# Altium PCB radxa_nx4_io_board_v1.11.PcbDoc (part 9 of 13)
Units mil, origin at the board's own origin, x right, y up, seen from the top; angles counter-clockwise.
Board outline 3937.01 x 3110.23 mil, 6 copper layers (TOP, GND02, ART03, ART04, GND05, BOTTOM), stack 47.2 mil thick; 639 components, 522 nets, 2442 pads, 1896 vias.
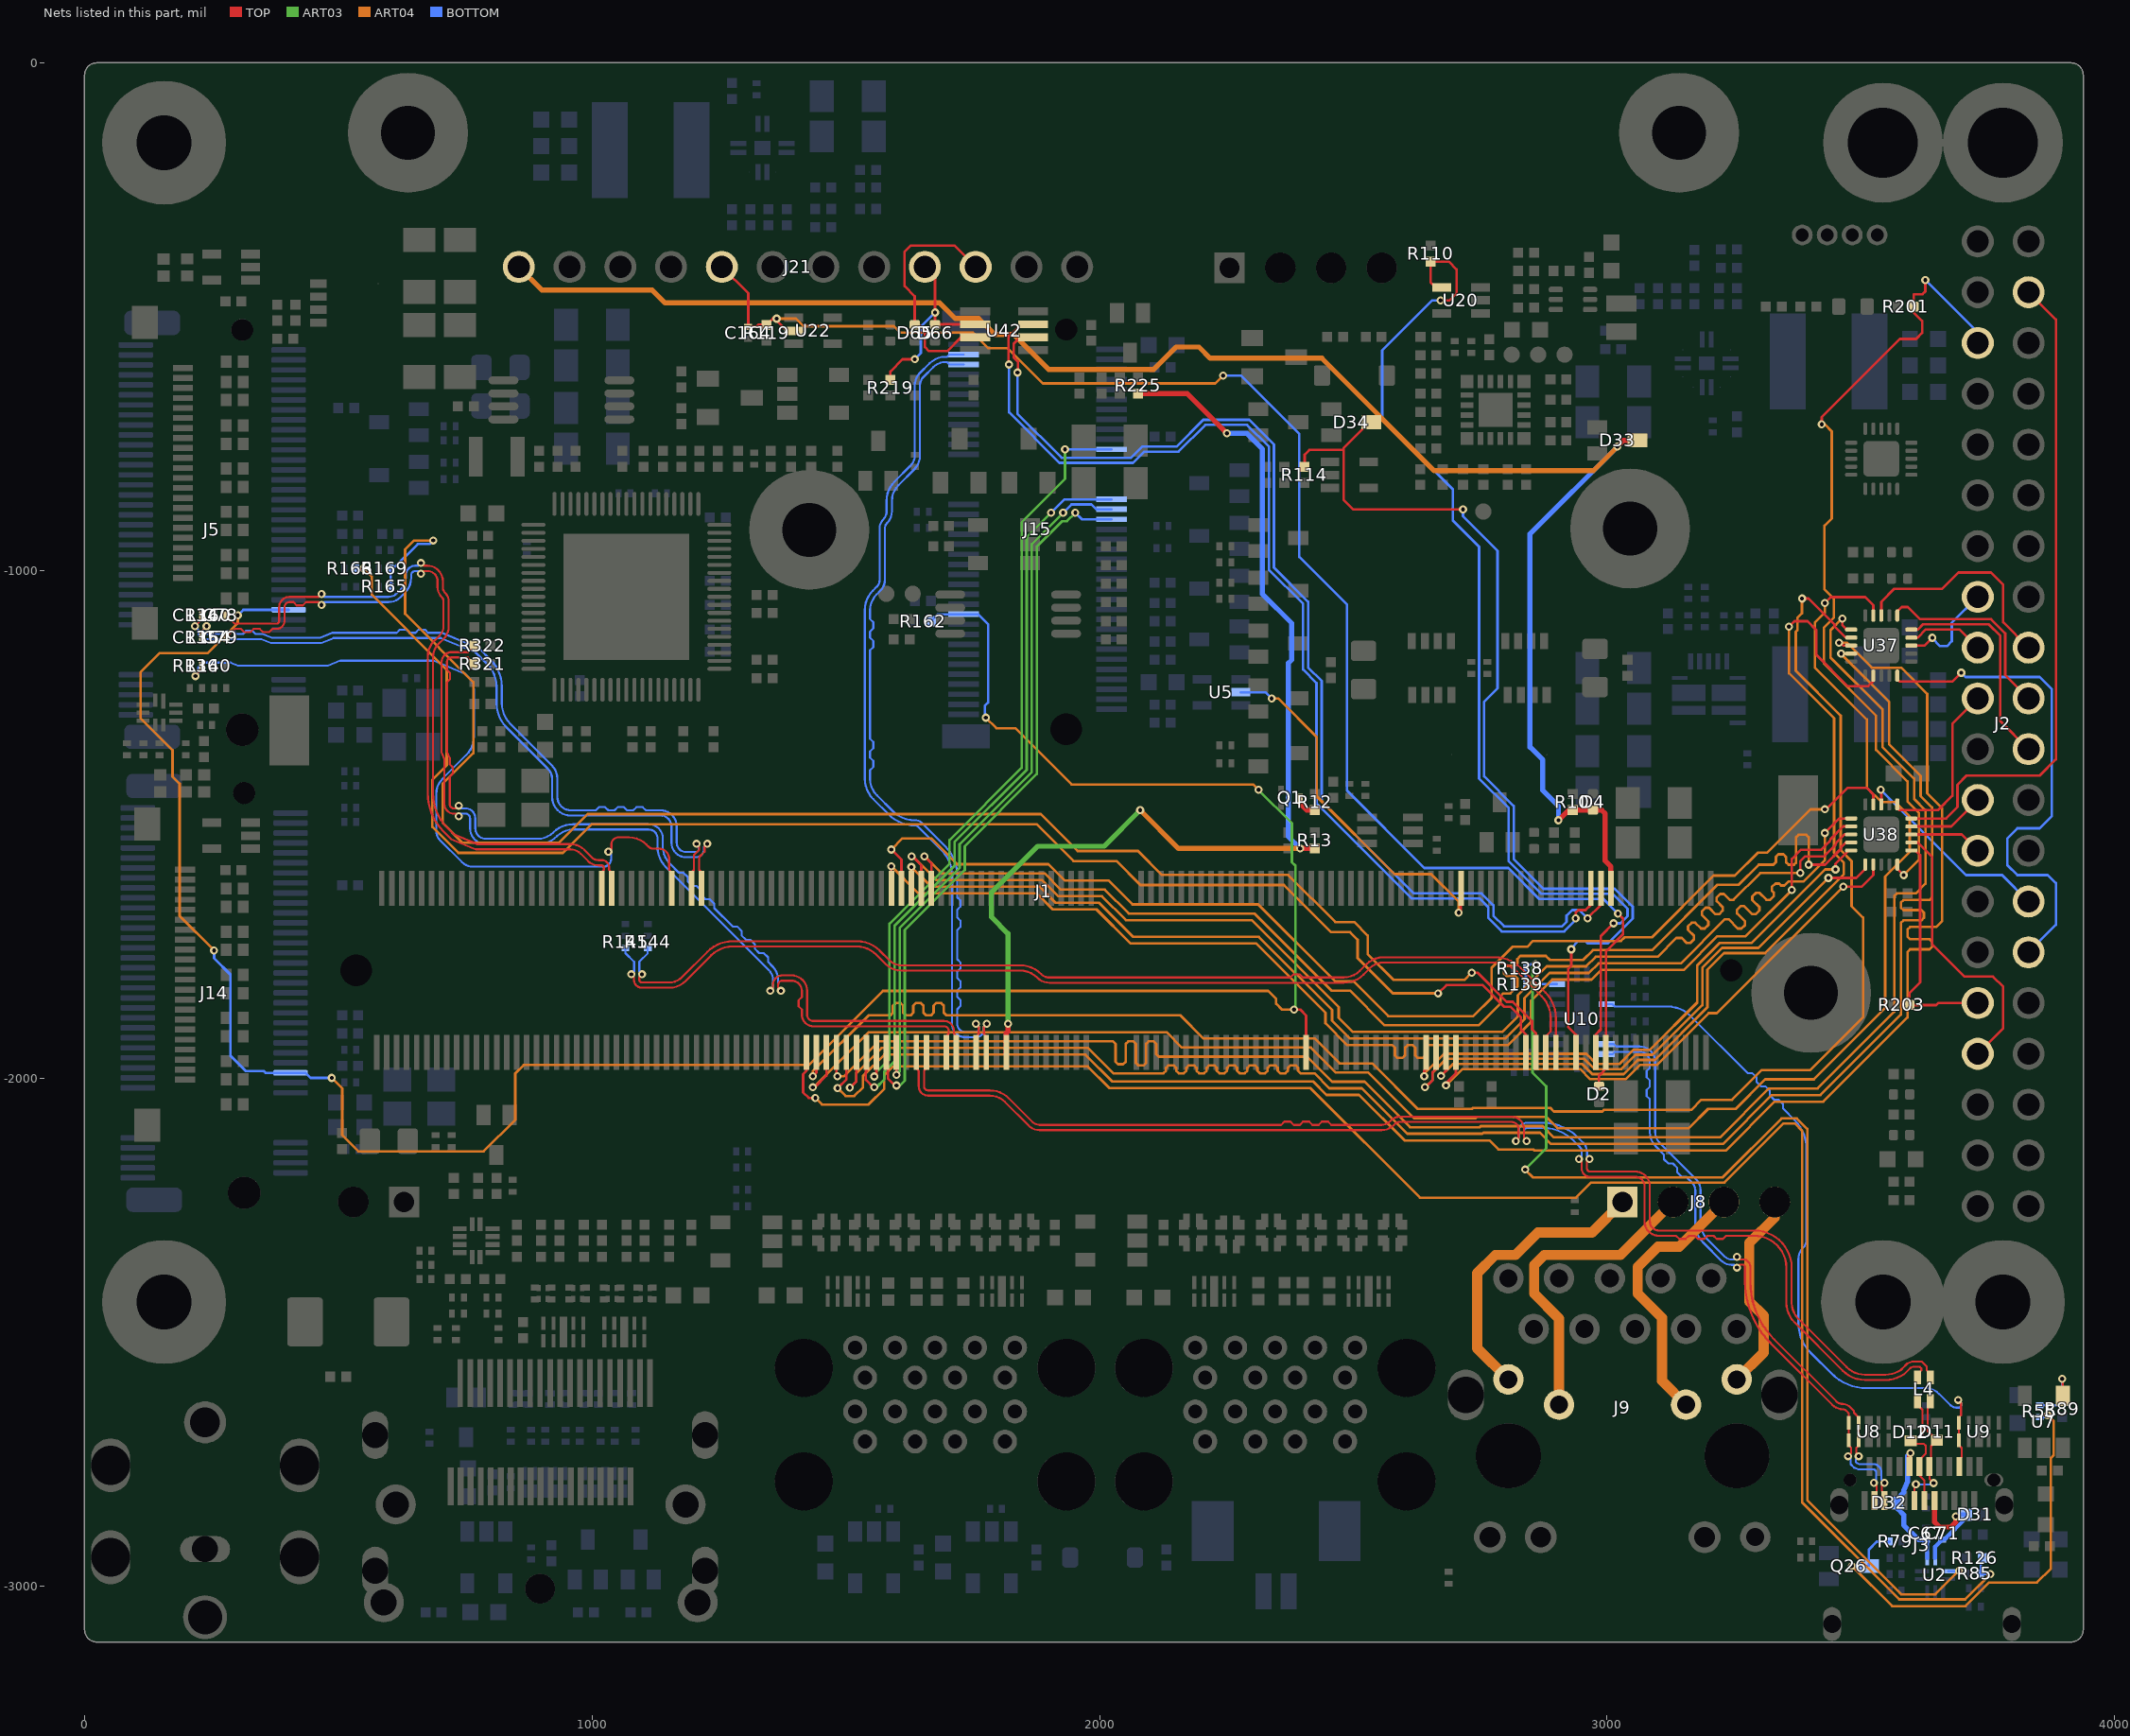
[diagram p13: the nets of this part, all layers, seen from the top]

## Via types
v1: diameter 16, hole 8, TOP to BOTTOM, 1896 vias

## Nets (pads, with @x,y where several pads share a name; then routed paths per layer and width w, separated by ;. In a path a pad name is that pad's centre, name@x,y a point inside that pad or via, vN(x,y) a via of type N, cw(c..) or ccw(c..) an arc to the next point about the centre after c; other vN are vias at no path point) (continued)
PCIE2_RX1_P: J1.60 R136.2 R140.2 | length 1543.3
  TOP w4.06: v1(219,-1208) 219,-1206 232.19,-1192.81 R140.2@232.19,-1188 ; v1(1032.56,-1554.14) 1038.37,-1548.33 1038.37,-1540 cw(c1052.73,-1540) 1052.73,-1525.64 1073.1,-1525.64 cw(c1073.11,-1574.2) 1107.45,-1539.87 1111.1,-1543.53 ccw(c1121.87,-1532.8) 1121.85,-1548 1132.22,-1548 cw(c1132.22,-1568) 1152.22,-1568 1152.22,-1589.61 1156.88,-1594.27 J1.60@1156.88,-1626.09
  BOTTOM w4.06: v1(219,-1208) 219.5,-1208 224,-1203.5 224,-1196.33 cw(c238.72,-1196.33) 238.72,-1181.61 288.57,-1181.61 302.79,-1187.5 480.47,-1187.5 504.29,-1177.64 687.73,-1177.64 749.7,-1203.3 758.64,-1212.24 cw(c736.62,-1234.26) 767.76,-1234.25 767.76,-1327 cw(c716.48,-1327) 752.74,-1363.26 706.34,-1409.66 ccw(c737.2,-1440.53) 693.55,-1440.53 693.55,-1513.32 ccw(c719.41,-1513.32) 701.13,-1531.61 744.02,-1574.5 ccw(c765.55,-1552.98) 765.55,-1583.42 1022.46,-1583.42 ccw(c1022.46,-1568) 1037.88,-1568 1037.88,-1559.46 v1(1032.56,-1554.14)
PCIE2_TX0_N: C79.2 J1.46 | length 1433.5
  TOP w4.06: C79.2@279.81,-1132 296.63,-1115.18 308.81,-1115.18 315.11,-1121.48 327.29,-1121.48 333.59,-1115.18 345.77,-1115.18 352.07,-1121.48 364.25,-1121.48 370.55,-1115.18 378.55,-1115.18 ccw(c378.55,-1099.37) 394.36,-1099.37 394.36,-1072.22 cw(c404.22,-1072.22) 404.22,-1062.36 412.18,-1062.36 418.48,-1068.66 430.66,-1068.66 436.96,-1062.36 462.07,-1062.36 v1(467.39,-1067.68) ; v1(663.51,-1006.37) 668.83,-1001.05 676,-1001.05 cw(c676,-1021.05) 696,-1021.05 696,-1032.66 ccw(c723.36,-1032.67) 704.01,-1052.01 cw(c695.47,-1060.6) 707.58,-1060.58 707.58,-1110.34 cw(c682.91,-1110.34) 700.35,-1127.79 690.07,-1138.07 ccw(c722.6,-1170.59) 676.6,-1170.59 676.6,-1438.68 ccw(c783.44,-1438.69) 707.89,-1514.23 722.57,-1528.91 772.03,-1549.39 957.76,-1549.39 cw(c957.75,-1577.78) 977.83,-1557.71 992.89,-1572.77 ccw(c1012.76,-1552.89) 1012.77,-1581 1019.49,-1581 cw(c1019.49,-1585.06) 1023.55,-1585.06 1023.55,-1589.81 1019.09,-1594.27 J1.46@1019.09,-1626.09
  BOTTOM w4.06: v1(467.39,-1067.68) 472.78,-1062.29 599.49,-1062.29 ccw(c599.49,-1028.87) 623.11,-1052.51 631.37,-1044.25 ccw(c600.88,-1013.76) 644,-1013.77 644,-1009.05 cw(c652,-1009.05) 652,-1001.05 658.19,-1001.05 v1(663.51,-1006.37)
PCIE2_TX0_P: C78.2 J1.48 | length 1434.1
  TOP w4.06: C78.2@279.81,-1088 296.63,-1104.82 378.55,-1104.82 ccw(c378.55,-1099.37) 384,-1099.37 384,-1072.22 cw(c404.22,-1072.22) 404.22,-1052 462.07,-1052 v1(467.39,-1046.68) ; v1(663.51,-985.37) 668.83,-990.69 676,-990.69 cw(c676,-1021.05) 706.36,-1021.05 706.36,-1032.66 ccw(c723.36,-1032.66) 711.34,-1044.68 cw(c695.46,-1060.59) 717.94,-1060.57 717.94,-1110.34 cw(c682.9,-1110.35) 707.68,-1135.12 697.4,-1145.4 ccw(c722.6,-1170.6) 686.96,-1170.6 686.96,-1438.68 ccw(c783.43,-1438.68) 715.22,-1506.9 728.44,-1520.12 774.1,-1539.03 957.76,-1539.03 cw(c957.76,-1577.78) 985.16,-1550.38 1000.22,-1565.44 ccw(c1012.77,-1552.9) 1012.77,-1570.64 1019.49,-1570.64 cw(c1019.49,-1585.06) 1033.91,-1585.06 1033.91,-1589.41 1038.77,-1594.27 J1.48@1038.77,-1626.09
  BOTTOM w4.06: v1(467.39,-1046.68) 472.64,-1051.93 599.48,-1051.93 ccw(c599.48,-1028.87) 615.78,-1045.18 624.04,-1036.92 ccw(c600.89,-1013.75) 633.64,-1013.76 633.64,-1009.05 cw(c652,-1009.05) 652,-990.69 658.19,-990.69 v1(663.51,-985.37)
PCIE2_TX1_N: C135.2 J1.64 R164.2 | length 1446.5
  TOP w4.06: R164.2@232.19,-1132 231.19,-1131 231.19,-1119.81 v1(241,-1110) ; J1.64@1196.25,-1626.09 1196.25,-1594.27 1200.92,-1589.6 1200.92,-1560.42 1211.53,-1549.81 1211.53,-1543.71 v1(1206.21,-1538.39)
  BOTTOM w4.06: v1(241,-1110) 234.68,-1116.32 234.68,-1120 ccw(c239.71,-1120) 239.71,-1125.03 275.61,-1125.03 281.91,-1118.73 294.09,-1118.73 300.39,-1125.03 312.57,-1125.03 318.87,-1118.73 331.05,-1118.73 337.35,-1125.03 351.32,-1125.03 369.74,-1132.66 465.05,-1132.66 488.86,-1122.8 615.61,-1122.8 621.91,-1116.5 634.09,-1116.5 640.39,-1122.8 652.57,-1122.8 658.87,-1116.5 671.05,-1116.5 677.35,-1122.8 704.63,-1122.8 776.7,-1152.7 801.38,-1177.38 cw(c750.14,-1228.61) 822.6,-1228.62 822.6,-1261.42 ccw(c880.17,-1261.42) 839.47,-1302.13 920.67,-1383.33 cw(c893.32,-1410.68) 932,-1410.68 932,-1446.11 ccw(c958.3,-1446.11) 958.3,-1472.41 1007.61,-1472.41 1013.91,-1466.11 1026.09,-1466.11 1032.39,-1472.41 1044.57,-1472.41 1050.87,-1466.11 1063.05,-1466.11 1069.35,-1472.41 1081.53,-1472.41 1087.83,-1466.11 1100.01,-1466.11 1106.31,-1472.41 1135.58,-1472.41 cw(c1135.58,-1504) 1167.17,-1504 1167.17,-1536.39 ccw(c1185.2,-1536.39) 1185.2,-1554.42 1205,-1554.42 ccw(c1205,-1548.8) 1210.62,-1548.8 1210.62,-1542.8 v1(1206.21,-1538.39)
PCIE2_TX1_P: C134.2 J1.66 R160.2 | length 1444.5
  TOP w4.06: v1(218,-1110) 232.19,-1095.81 R160.2@232.19,-1088 ; J1.66@1215.94,-1626.09 1215.94,-1594.26 1211.28,-1589.6 1211.28,-1564.72 1221.89,-1554.11 1221.89,-1543.71 v1(1227.21,-1538.39)
  BOTTOM w4.06: v1(218,-1110) 224.32,-1116.32 224.32,-1120 ccw(c239.71,-1120) 239.71,-1135.39 349.25,-1135.39 367.67,-1143.02 467.12,-1143.02 490.93,-1133.16 702.56,-1133.16 770.82,-1161.49 794.05,-1184.71 cw(c750.15,-1228.62) 812.24,-1228.62 812.24,-1261.43 ccw(c880.17,-1261.42) 832.14,-1309.46 913.34,-1390.66 cw(c893.32,-1410.69) 921.64,-1410.69 921.64,-1446.11 ccw(c958.3,-1446.11) 958.3,-1482.77 1135.58,-1482.77 cw(c1135.58,-1504) 1156.81,-1504 1156.81,-1536.39 ccw(c1185.2,-1536.39) 1185.2,-1564.78 1205,-1564.78 ccw(c1205,-1548.8) 1220.98,-1548.8 1220.98,-1544.62 v1(1227.21,-1538.39)
PCIE3_CLK_N: J1.227 R145.2 | length 2078.1
  TOP w4.06: v1(1077.68,-1795.42) 1083,-1800.74 1083,-1806.3 ccw(c1098.61,-1806.3) 1098.61,-1821.91 1152.47,-1821.91 ccw(c1152.48,-1776.54) 1184.55,-1808.63 1234.63,-1758.55 cw(c1277.85,-1801.78) 1277.85,-1740.65 1521.86,-1740.65 cw(c1521.85,-1794.29) 1559.79,-1756.37 1579.04,-1775.62 ccw(c1608.93,-1745.72) 1608.93,-1788 1843.33,-1788 cw(c1843.33,-1836.56) 1877.67,-1802.23 ; 1877.69,-1802.25 ccw(c1901.47,-1778.47) 1901.46,-1812.1 2481.13,-1812.1 ccw(c2481.13,-1757.13) 2520,-1796 2532.85,-1783.15 cw(c2558.8,-1809.1) 2558.8,-1772.4 2779.41,-1772.4 cw(c2779.4,-1833.38) 2822.53,-1790.27 2871.02,-1838.76 cw(c2828.47,-1881.32) 2888.65,-1881.31 2888.65,-1907.78 2879.32,-1917.11 J1.227@2879.32,-1948.92
  BOTTOM w4.06: R145.2@1066,-1743.81 1066,-1753.67 1083.09,-1770.76 1083.09,-1790.01 v1(1077.68,-1795.42)
PCIE3_CLK_P: J1.229 R144.2 | length 2079.1
  TOP w4.06: v1(1098.68,-1795.42) 1093.36,-1800.74 1093.36,-1806.3 ccw(c1098.61,-1806.3) 1098.61,-1811.55 1152.47,-1811.55 ccw(c1152.47,-1776.54) 1177.22,-1801.3 1227.3,-1751.22 cw(c1277.84,-1801.78) 1277.85,-1730.29 1521.86,-1730.29 cw(c1521.86,-1794.29) 1567.12,-1749.04 1586.37,-1768.29 ccw(c1608.94,-1745.72) 1608.94,-1777.64 1843.34,-1777.64 cw(c1843.34,-1836.56) 1885,-1794.9 ccw(c1901.48,-1778.47) 1901.47,-1801.74 2375.61,-1801.74 2381.91,-1795.44 2394.09,-1795.44 2400.39,-1801.74 2481.14,-1801.74 ccw(c2481.12,-1757.13) 2512.67,-1788.67 2525.52,-1775.82 cw(c2558.79,-1809.1) 2558.8,-1762.04 2779.41,-1762.04 cw(c2779.41,-1833.38) 2829.86,-1782.94 2878.35,-1831.43 cw(c2828.47,-1881.31) 2899.01,-1881.31 J1.229@2899.01,-1948.92
  BOTTOM w4.06: v1(1098.68,-1795.42) 1093.45,-1790.19 1093.45,-1770.56 1110,-1754.01 R144.2@1110,-1743.81
PCIE3_CLKREQ: J1.225 R165.1 R169.2 | length 3276.2
  TOP w5: v1(2733.05,-1792.22) 2744.37,-1792.22 2801.65,-1849.5 2813.99,-1849.5 2852,-1887.51 2852,-1903.82 2859.64,-1911.46 J1.225@2859.64,-1948.92
  ART04 w5: v1(687.26,-940.95) 649.77,-940.95 632,-958.72 632,-1085.44 766.5,-1219.94 766.5,-1359.96 705.82,-1420.64 705.82,-1496.99 745.18,-1536.35 934.93,-1536.35 991.47,-1479.81 1884.08,-1479.81 1956.77,-1552.5 2075.85,-1552.5 2123.06,-1599.71 2371.71,-1599.71 2464.5,-1692.5 2501.7,-1692.5 2528.24,-1719.04 2528.24,-1755.12 2579.55,-1806.43 2718.84,-1806.43 v1(2733.05,-1792.22)
  BOTTOM w5: R165.1@603.81,-1032 R169.2@603.81,-996 609.02,-996 657.15,-947.87 680.34,-947.87 v1(687.26,-940.95)
PCIE3_RST: J1.223 R166.1 | length 3057.1
  TOP w5: v1(2666.78,-1832.93) 2683.01,-1816.71 2754.71,-1816.71 2797.5,-1859.5 2809.84,-1859.5 2830.27,-1879.93 2830.27,-1904 2839.95,-1913.68 J1.223@2839.95,-1948.92
  ART04 w5: v1(550,-996) 566.5,-1012.5 566.5,-1048.24 714,-1195.74 714,-1384.16 685.82,-1412.34 685.82,-1505.29 736.88,-1556.35 943.23,-1556.35 999.77,-1499.81 1875.78,-1499.81 1948.47,-1572.5 2033.31,-1572.5 2080.52,-1619.71 2363.41,-1619.71 2456.2,-1712.5 2493.4,-1712.5 2508.24,-1727.34 2508.24,-1763.42 2577.75,-1832.93 v1(2666.78,-1832.93)
  BOTTOM w5: R166.1@535.81,-996 v1(550,-996)
PCIE_WAKE: J1.179 J5.54 J14.54 J15.55 R162.2 | length 5087.8
  TOP w5: v1(2383.13,-1864.97) 2395.39,-1864.97 2406.88,-1876.46 J1.179@2406.88,-1948.92
  ART03 w5: v1(2313.12,-1432) 2378.84,-1497.72 2378.84,-1574.67 2386,-1581.83 2386,-1862.1 v1(2383.13,-1864.97)
  ART04 w5: v1(255.76,-1748.31) 188,-1680.55 188,-1420 174,-1406 174,-1354.01 111.03,-1291.04 111.03,-1200.75 149,-1162.78 243.48,-1162.78 302.62,-1103.64 v1(302.62,-1088.14) ; v1(487.65,-1999.5) 508.07,-2019.92 508.07,-2112.07 540,-2144 786.94,-2144 848.89,-2082.05 848.89,-1990.67 865.56,-1974 1427.11,-1974 1573.11,-1828 2332,-1828 2348,-1844 2348,-1853.2 2359.77,-1864.97 v1(2383.13,-1864.97) ; v1(1775.91,-1289.88) 1796.71,-1310.68 1834.02,-1310.68 1944.84,-1421.5 2302.62,-1421.5 v1(2313.12,-1432)
  BOTTOM w5: v1(255.76,-1748.31) 255.76,-1763.76 288,-1796 288,-1956 317.99,-1985.99 353.99,-1985.99 357.53,-1989.53 J14.54@406.63,-1989.48 J14.54@406.63,-1989.48 435.83,-1989.48 445.85,-1999.5 v1(487.65,-1999.5) ; v1(302.62,-1088.14) 313.28,-1077.48 J5.54@402.63,-1077.48 ; R162.2@1667.75,-1100 1681.41,-1086.34 J15.55@1732.4,-1086.34 1760.94,-1086.34 1780.4,-1105.8 1780.4,-1260 1773.9,-1266.5 1773.9,-1287.87 v1(1775.91,-1289.88)
POWER_EN: J1.237 R110.1 U20.4 | length 2062.7
  TOP w5: v1(2672,-468) 2689.56,-468 2703.18,-454.38 2703.18,-406.93 2688,-391.75 R110.1@2652,-391.75 2652,-432 2662.41,-442.41 U20.4@2673.81,-442.41 ; J1.237@2977.75,-1948.92 2977.75,-1913.68 2987.43,-1904 2987.43,-1720.12 v1(3012.49,-1695.06)
  BOTTOM w5: v1(2672,-468) 2655.56,-468 2556.8,-566.76 2556.8,-700.8 2696,-840 2696,-901.85 2747.5,-953.35 2747.5,-1409.65 2806,-1468.15 2806,-1572.8 2870.23,-1637.03 3010.87,-1637.03 3040.15,-1666.31 3040.15,-1680.93 3026.02,-1695.06 v1(3012.49,-1695.06)
PWR_BTN*: D4.2 D33.3 J1.240 J21.12 R10.2 | length 3516.3
  TOP w10: v1(2904,-1492) 2924.25,-1471.75 R10.2@2932,-1471.75 2932.25,-1472 D4.2@2972,-1472 2989.08,-1472 2996,-1478.92 2996,-1572 3007.28,-1583.28 J1.240@3007.28,-1626.09 ; v1(3020,-756) 3032,-744 D33.3@3059.37,-744
  ART04 w10: J21.12@856,-402.18 901.82,-448 1119.17,-448 1144.17,-473 1685,-473 1715.83,-503.83 1761.77,-503.83 1792.94,-535 1830.74,-535 1899.74,-604 2106.88,-604 2150.88,-560 2196,-560 2218,-582 2438,-582 2659.5,-803.5 2972.5,-803.5 v1(3020,-756)
  BOTTOM w10: v1(2904,-1492) 2904,-1464 2873,-1433 2873,-1373 2848,-1348 2848,-928 v1(3020,-756)
PWR_LED_CTRL: J1.127 R13.1 R225.1 | length 2178
  TOP w10: J1.127@1816.33,-1948.92 1816.33,-1911.66 1819.71,-1908.28 v1(1819.71,-1892.61) ; R225.1@2076,-651.75 2172.9,-651.75 v1(2250.81,-729.66) ; v1(2395.34,-1547.75) R13.1@2424,-1547.75
  ART03 w10: v1(1819.71,-1892.61) 1819.71,-1715.23 1787.49,-1683.01 1787.49,-1633.76 1878.12,-1543.13 2008.88,-1543.13 v1(2080.01,-1472)
  ART04 w10: v1(2080.01,-1472) 2155.76,-1547.75 v1(2395.34,-1547.75)
  BOTTOM w10: v1(2250.81,-729.66) 2289.66,-729.66 2321.02,-761.02 2321.02,-1046.58 2378.44,-1104 2378.44,-1176 2371.94,-1182.5 2371.94,-1524.35 v1(2395.34,-1547.75)
PWR_LED_R: Q1.3 R12.2 | length 45.5
  TOP w10: Q1.3@2394.5,-1448 2394.5,-1458.5 2407.75,-1471.75 R12.2@2424,-1471.75
SHUTDOWN_REQ*: D34.3 J1.233 R114.2 | length 1936.4
  TOP w5: R114.2@2404,-796.25 2404,-772 2413.45,-762.55 2480.82,-762.55 ; D34.3@2535.37,-708 2532.01,-708 2480.82,-759.19 2480.82,-762.55 ; v1(2716,-880) 2499.99,-880 2480.82,-860.83 2480.82,-762.55 ; v1(2929.19,-1746.27) 2929.19,-1778.81 2923.07,-1784.93 2923.07,-1899.07 2938.38,-1914.38 J1.233@2938.38,-1948.92
  BOTTOM w5: v1(2716,-880) 2716,-893.22 2784,-961.22 2784,-1232 2757.5,-1258.5 2757.5,-1405.5 2816,-1464 2816,-1568.65 2874.38,-1627.03 3015.02,-1627.03 3050.15,-1662.16 3050.15,-1685.85 3002.02,-1733.98 2961.18,-1733.98 2957,-1729.8 2943.34,-1729.8 2929.19,-1743.95 v1(2929.19,-1746.27)
SPI0_CS0: J1.95 U37.3 | length 3461.5
  TOP w5: v1(1483.97,-2019.51) 1501.37,-2002.11 J1.95@1501.37,-1948.92 ; v1(3456.49,-1142.22) 3460.14,-1142.22 3465.92,-1148 U37.3@3480.76,-1148
  ART04 w5: v1(1483.97,-2019.51) 1499.64,-2035.18 1516.82,-2035.18 1534.06,-2017.94 1534.06,-1995.26 1575.85,-1953.47 1971.87,-1953.47 2024.9,-2006.5 2420.82,-2006.5 2447.2,-2032.88 2511.2,-2032.88 2601.04,-2122.72 2768,-2122.72 2785.73,-2140.45 2854.73,-2140.45 2856.78,-2142.5 3233.42,-2142.5 3329.67,-2046.25 3425.44,-2046.25 3591.5,-1880.19 3591.5,-1751.38 3596.5,-1746.38 3635,-1746.38 3640,-1741.38 3640,-1731.38 3635,-1726.38 3596.5,-1726.38 3591.5,-1721.38 3591.5,-1707.07 3596.5,-1702.07 3648,-1702.07 3660,-1690.07 3660,-1468.34 3630.5,-1438.84 3630.5,-1243.16 3578.84,-1191.5 3521.27,-1191.5 3471.99,-1142.22 v1(3456.49,-1142.22)
SPI0_CS0_LS: J2.24 U37.14 | length 152.4
  TOP w5: U37.14@3599.24,-1132.25 3611.76,-1132.25 3628.01,-1116 3694,-1116 J2.24@3730,-1152
SPI0_CS1: J1.97 U37.4 | length 3454.7
  TOP w5: v1(1508.14,-2018.68) 1521.06,-2005.76 J1.97@1521.06,-1948.92 ; v1(3461,-1163.75) U37.4@3480.76,-1163.75
  ART04 w5: v1(1508.14,-2018.68) 1521.06,-2005.76 1521.06,-1989.87 1570.46,-1940.47 1977.26,-1940.47 2027.32,-1990.53 2126.04,-1990.53 2131.04,-1985.53 2131.04,-1979.52 2136.04,-1974.52 2146.04,-1974.52 2151.04,-1979.52 2151.04,-1985.53 2156.04,-1990.53 2166.04,-1990.53 2171.04,-1985.53 2171.04,-1979.52 2176.04,-1974.52 2186.04,-1974.52 2191.04,-1979.52 2191.04,-1985.53 2196.04,-1990.53 2206.04,-1990.53 2211.04,-1985.53 2211.04,-1979.52 2216.04,-1974.52 2226.04,-1974.52 2231.04,-1979.52 2231.04,-1985.53 2236.04,-1990.53 2246.04,-1990.53 2251.04,-1985.53 2251.04,-1979.52 2256.04,-1974.52 2266.04,-1974.52 2271.04,-1979.52 2271.04,-1985.53 2276.04,-1990.53 2286.04,-1990.53 2291.04,-1985.53 2291.04,-1979.52 2296.04,-1974.52 2306.04,-1974.52 2311.04,-1979.52 2311.04,-1985.53 2316.04,-1990.53 2326.04,-1990.53 2331.04,-1985.53 2331.04,-1979.52 2336.04,-1974.52 2346.04,-1974.52 2351.04,-1979.52 2351.04,-1985.53 2356.04,-1990.53 2366.04,-1990.53 2371.04,-1985.53 2371.04,-1979.52 2376.04,-1974.52 2386.04,-1974.52 2391.04,-1979.52 2391.04,-1985.53 2396.04,-1990.53 2423.24,-1990.53 2452.59,-2019.88 2516.59,-2019.88 2606.22,-2109.51 2754.16,-2109.51 2756.22,-2107.45 2867.47,-2107.45 2889.52,-2129.5 3228.03,-2129.5 3324.28,-2033.25 3420.05,-2033.25 3578.5,-1874.8 3578.5,-1694.07 3583.5,-1689.07 3619,-1689.07 3624,-1684.07 3624,-1674.07 3619,-1669.07 3583.5,-1669.07 3578.5,-1664.07 3578.5,-1654 3583.5,-1649 3635,-1649 3640,-1644 3640,-1466.73 3617.5,-1444.23 3617.5,-1404.84 3555.5,-1342.84 3555.5,-1259.24 3461,-1164.74 v1(3461,-1163.75)
SPI0_CS1_LS: J2.26 U37.13 | length 206.3
  TOP w5: U37.13@3599.24,-1148 3624.98,-1148 v1(3640.48,-1132.5)
  BOTTOM w5: v1(3640.48,-1132.5) 3640.48,-1133.92 3655.56,-1149 3669.25,-1149 3678.91,-1139.34 3678.91,-1103.09 J2.26@3730,-1052
SPI0_MISO: J1.93 U37.1 | length 3457.6
  TOP w5: J1.93@1481.69,-1948.92 1481.69,-1994.29 v1(1483.77,-1996.37) ; v1(3463.11,-1094.79) 3463.11,-1107.11 3472.5,-1116.5 U37.1@3480.76,-1116.5
  ART04 w5: v1(1483.77,-1996.37) 1496.17,-1996.37 1565.07,-1927.47 2026.65,-1927.47 2031.65,-1932.47 2031.65,-1967.63 2036.65,-1972.63 2046.65,-1972.63 2051.65,-1967.63 2051.65,-1932.47 2056.65,-1927.47 2066.79,-1927.47 2071.79,-1932.47 2071.79,-1970 2076.79,-1975 2086.79,-1975 2091.79,-1970 2091.79,-1932.47 2096.79,-1927.47 2106.79,-1927.47 2111.79,-1932.47 2111.79,-1952.52 2116.79,-1957.52 2408.62,-1957.52 2457.98,-2006.88 2521.98,-2006.88 2611.61,-2096.51 2748.77,-2096.51 2750.83,-2094.45 2872.86,-2094.45 2894.91,-2116.5 3222.63,-2116.5 3318.88,-2020.25 3414.66,-2020.25 3565.5,-1869.41 3565.5,-1641 3570.5,-1636 3607.99,-1636 3627,-1616.99 3627,-1472.12 3604.5,-1449.62 3604.5,-1410.23 3542.5,-1348.23 3542.5,-1274.5 3439.99,-1171.99 3439.99,-1117.91 v1(3463.11,-1094.79)
SPI0_MISO_LS: J2.21 U37.16 | length 392.9
  TOP w5: U37.16@3571.5,-1088.76 3571.5,-1080.5 3580,-1072 3592.01,-1072 3616.01,-1096 3756,-1096 3784,-1124 3784,-1206 J2.21@3830,-1252
SPI0_MOSI: J1.89 U37.2 | length 3457.3
  TOP w5: v1(1435.14,-1996.37) 1442.32,-1989.19 J1.89@1442.32,-1948.92 ; v1(3383.73,-1055.34) 3396.73,-1055.34 3448,-1106.61 3448,-1110.39 3469.86,-1132.25 U37.2@3480.76,-1132.25
  ART04 w5: v1(1435.14,-1996.37) 1435.14,-1986.21 1545.24,-1876.11 1588.12,-1876.11 1593.12,-1871.11 1593.12,-1857 1598.12,-1852 1608.12,-1852 1613.12,-1857 1613.12,-1871.11 1618.12,-1876.11 1628.12,-1876.11 1633.12,-1871.11 1633.12,-1857 1638.12,-1852 1648.12,-1852 1653.12,-1857 1653.12,-1871.11 1658.12,-1876.11 1668.12,-1876.11 1673.12,-1871.11 1673.12,-1857 1678.12,-1852 1688.12,-1852 1693.12,-1857 1693.12,-1871.11 1698.12,-1876.11 2158.79,-1876.11 2204.2,-1921.52 2423.54,-1921.52 2472.9,-1970.88 2536.9,-1970.88 2626.53,-2060.51 2733.85,-2060.51 2735.91,-2058.45 2887.79,-2058.45 2894.84,-2065.5 2990.5,-2065.5 2993.5,-2062.5 3165.5,-2062.5 3185.5,-2042.5 3245.7,-2042.5 3303.95,-1984.25 3399.74,-1984.25 3504,-1879.99 3504,-1683.88 3481.5,-1661.38 3481.5,-1572.53 3460,-1551.03 3460,-1285.82 3371.44,-1197.26 3371.44,-1120.89 3374.6,-1117.73 3374.6,-1093.54 3383.73,-1084.41 v1(3383.73,-1055.34)
SPI0_MOSI_LS: J2.19 U37.15 | length 435.3
  TOP w5: U37.15@3599.24,-1116.5 3611.5,-1116.5 3622,-1106 3751.85,-1106 3774,-1128.15 3774,-1296 J2.19@3830,-1352
SPI0_SCK: J1.91 U37.19 | length 3464.8
  TOP w5: v1(1435,-2018) 1438.98,-2018 1462,-1994.98 J1.91@1462,-1948.92 ; v1(3428.73,-1064) 3440.23,-1052.5 3508.09,-1052.5 3524.25,-1068.66 U37.19@3524.25,-1088.76
  ART04 w5: v1(1435,-2018) 1436.86,-2018 1545.39,-1909.47 2132.09,-1909.47 2162.14,-1939.52 2416.08,-1939.52 2465.44,-1988.88 2529.44,-1988.88 2619.07,-2078.51 2741.31,-2078.51 2743.37,-2076.45 2880.32,-2076.45 2902.37,-2098.5 3160.84,-2098.5 3198.84,-2060.5 3253.16,-2060.5 3311.41,-2002.25 3407.2,-2002.25 3547.5,-1861.95 3547.5,-1603.06 3596,-1554.56 3596,-1484.97 3567.03,-1456 3539.66,-1456 3511.5,-1427.84 3511.5,-1293.46 3408.99,-1190.95 3408.99,-1103.01 3428.73,-1083.27 v1(3428.73,-1064)
SPI0_SCK_LS: J2.23 U37.18 | length 445.6
  TOP w5: U37.18@3540,-1088.76 3540,-1061.66 3565.66,-1036 3660,-1036 3692,-1004 3756,-1004 3780,-1028 3780,-1102 J2.23@3830,-1152
SPI1_CS0: J1.110 U38.3 | length 2412.9
  TOP w5: v1(1630,-1563) 1631.66,-1563 1649.01,-1580.35 J1.110@1649.01,-1626.09 ; v1(3380.27,-1596.03) 3380.27,-1572.69 3390.01,-1562.95 3427.44,-1562.95 3449.01,-1541.38 3450.99,-1536.6 3467.59,-1520 U38.3@3480.76,-1520
  ART04 w5: v1(1630,-1563) 1631.66,-1563 1678.29,-1609.63 1886.66,-1609.63 1918.53,-1641.5 2004.68,-1641.5 2051.89,-1688.71 2299.53,-1688.71 2470.95,-1860.13 2470.95,-1881.05 2498.78,-1908.88 2793.46,-1908.88 2824,-1878.34 2824,-1836.75 2880.85,-1779.9 2958.33,-1779.9 2977.46,-1760.77 3099.23,-1760.77 3135.97,-1724.03 3147.05,-1724.03 3156.68,-1733.66 3163.76,-1733.66 3170.83,-1726.59 3170.83,-1719.51 3159.2,-1707.88 3159.2,-1700.8 3166.27,-1693.73 3173.35,-1693.73 3184.98,-1705.36 3192.06,-1705.36 3199.13,-1698.29 3199.13,-1691.21 3186.5,-1678.58 3186.5,-1671.5 3193.57,-1664.43 3200.65,-1664.43 3213.28,-1677.06 3220.36,-1677.06 3227.43,-1669.99 3227.43,-1662.91 3215.8,-1651.28 3215.8,-1644.2 3222.87,-1637.13 3229.95,-1637.13 3241.58,-1648.76 3248.66,-1648.76 3301.39,-1596.03 v1(3380.27,-1596.03)
SPI1_CS0_LS: J2.18 U38.14 | length 152.4

## Text inside footprints (layer, text, board x,y; h text height)
J15: REVISION "2" at 1883.24,-919.02 h40 r270; PIN_NUMBER "48" at 2030.14,-1017.45 h8 r270; PIN_NUMBER "46" at 2030.14,-997.76 h8 r270; PIN_NUMBER "44" at 2030.14,-978.08 h8 r270; PIN_NUMBER "6" at 2026.94,-604.06 h8 r270; PIN_NUMBER "16" at 2030.14,-702.48 h8 r270; PIN_NUMBER "64" at 2030.14,-1174.93 h8 r270; PIN_NUMBER "67" at 1738.8,-1204.45 h8 r270; PIN_NUMBER "65" at 1738.8,-1184.77 h8 r270; PIN_NUMBER "61" at 1738.8,-1145.4 h8 r270; PIN_NUMBER "59" at 1738.8,-1125.71 h8 r270; PIN_NUMBER "73" at 1738.8,-1263.51 h8 r270; PIN_NUMBER "71" at 1738.8,-1243.82 h8 r270; PIN_NUMBER "9" at 1735.6,-633.59 h8 r270; PIN_NUMBER "11" at 1738.8,-653.27 h8 r270; PIN_NUMBER "15" at 1738.8,-692.64 h8 r270; PIN_NUMBER "17" at 1738.8,-712.33 h8 r270; PIN_NUMBER "19" at 1738.8,-732.01 h8 r270; PIN_NUMBER "13" at 1738.8,-672.96 h8 r270; PIN_NUMBER "23" at 1738.8,-771.38 h8 r270; PIN_NUMBER "21" at 1738.8,-751.7 h8 r270; PIN_NUMBER "68" at 2030.14,-1214.3 h8 r270; PIN_NUMBER "70" at 2030.14,-1233.98 h8 r270; PIN_NUMBER "66" at 2030.14,-1194.61 h8 r270; PIN_NUMBER "40" at 2030.14,-938.71 h8 r270; PIN_NUMBER "38" at 2030.14,-919.02 h8 r270; PIN_NUMBER "77" at 1746.38,-1326.5 h11.81 r270; PIN_NUMBER "1" at 1735.6,-554.85 h8 r270; PIN_NUMBER "33" at 1738.8,-869.81 h8 r270; PIN_NUMBER "76" at 1746.38,-511.54 h11.81 r270; PIN_NUMBER "7" at 1735.6,-613.9 h8 r270; PIN_NUMBER "57" at 1738.8,-1106.03 h8 r270; PIN_NUMBER "45" at 1738.8,-987.92 h8 r270; PIN_NUMBER "51" at 1738.8,-1046.97 h8 r270; PIN_NUMBER "18" at 2030.14,-722.17 h8 r270; PIN_NUMBER "39" at 1738.8,-928.86 h8 r270; PIN_NUMBER "63" at 1738.8,-1165.08 h8 r270; PIN_NUMBER "75" at 1738.8,-1283.19 h8 r270; PIN_NUMBER "69" at 1738.8,-1224.14 h8 r270; PIN_NUMBER "32" at 2030.14,-859.96 h8 r270; PIN_NUMBER "22" at 2030.14,-761.54 h8 r270; PIN_NUMBER "3" at 1735.6,-574.53 h8 r270; PIN_NUMBER "47" at 1738.8,-1007.6 h8 r270; PIN_NUMBER "43" at 1738.8,-968.23 h8 r270; PIN_NUMBER "50" at 2030.14,-1037.13 h8 r270; PIN_NUMBER "34" at 2030.14,-879.65 h8 r270; PIN_NUMBER "41" at 1738.8,-948.55 h8 r270; PIN_NUMBER "53" at 1738.8,-1066.66 h8 r270; PIN_NUMBER "49" at 1738.8,-1027.29 h8 r270; PIN_NUMBER "55" at 1738.8,-1086.34 h8 r270; PIN_NUMBER "52" at 2030.14,-1056.82 h8 r270; PIN_NUMBER "2" at 2026.94,-564.69 h8 r270; PIN_NUMBER "4" at 2026.94,-584.37 h8 r270; PIN_NUMBER "72" at 2030.14,-1253.67 h8 r270; PIN_NUMBER "74" at 2030.14,-1273.35 h8 r270; PIN_NUMBER "20" at 2030.14,-741.85 h8 r270; PIN_NUMBER "5" at 1735.6,-594.22 h8 r270; PIN_NUMBER "36" at 2030.14,-899.33 h8 r270; PIN_NUMBER "10" at 2030.14,-643.43 h8 r270; PIN_NUMBER "56" at 2030.14,-1096.19 h8 r270; PIN_NUMBER "62" at 2030.14,-1155.24 h8 r270; PIN_NUMBER "60" at 2030.14,-1135.56 h8 r270; PIN_NUMBER "54" at 2030.14,-1076.5 h8 r270; PIN_NUMBER "58" at 2030.14,-1115.87 h8 r270; PIN_NUMBER "42" at 2030.14,-958.39 h8 r270; PIN_NUMBER "8" at 2026.94,-623.74 h8 r270; PIN_NUMBER "12" at 2030.14,-663.11 h8 r270; PIN_NUMBER "14" at 2030.14,-682.8 h8 r270; PIN_NUMBER "37" at 1738.8,-909.18 h8 r270; PIN_NUMBER "35" at 1738.8,-889.49 h8 r270; NVIDIA_INFO "20.70" at 1505.67,-873.43 h20 r270; NVIDIA_INFO "9.25" at 1623.22,-705.04 h20 r270; NVIDIA_INFO "9.25" at 1615.55,-1069.22 h20 r270; NVIDIA_INFO "5.50" at 1669.29,-633 h20 r270; NVIDIA_INFO "1.25" at 1671.37,-972.17 h20 r270; NVIDIA_INFO "0.28" at 1667.2,-1184.37 h20 r270; NVIDIA_INFO "1.55" at 1648.74,-1418.11 h20 r180; NVIDIA_INFO "5.00" at 2096.37,-634.77 h20 r270; NVIDIA_INFO "9.00" at 2146.1,-643.08 h20 r270; NVIDIA_INFO "1.50" at 2098.46,-972.17 h20 r270; NVIDIA_INFO "9.00" at 2120.47,-1096.19 h20 r270; NVIDIA_INFO "20.00" at 2204.17,-783.08 h20 r270; NVIDIA_INFO "10.00" at 2160.63,-1096.11 h20 r270; NVIDIA_INFO "1.55" at 2188.89,-1438 h20 r180; NVIDIA_INFO "8.95" at 1909.96,-269.61 h20 r180; NVIDIA_INFO "5.90" at 1840.27,-338.43 h20 r180; NVIDIA_INFO "3.05" at 2024.33,-461.85 h20 r180; NVIDIA_INFO "1.20" at 1820.98,-588.31 h20 r270; NVIDIA_INFO "10.35" at 1561.02,-1121.26 h20 r270; NVIDIA_INFO "2.39" at 1657.99,-446.22 h20 r180; NVIDIA_INFO "0.25" at 2100.27,-1336.34 h20 r270; NVIDIA_INFO "5.01" at 1862.12,-395.36 h20 r180; NVIDIA_INFO "R0.80" at 1888.93,-1385.04 h20 r245.14; NVIDIA_INFO "R0.55" at 1898.11,-591.74 h20 r249.59; MECH_DIMENSION "6.40" at 1897.36,-1392.56 h20 r180; MECH_DIMENSION "5.00" at 2107.79,-634.77 h20 r270; MECH_DIMENSION "10.50" at 2185.07,-1014.41 h20 r270; MECH_DIMENSION "20.00" at 2235.39,-939.73 h20 r270; MECH_DIMENSION "9.00" at 2152.24,-647.25 h20 r270; MECH_DIMENSION "9.00" at 2080.35,-1067.84 h20 r270; MECH_DIMENSION "10.00" at 2122.24,-1033 h20 r270; MECH_DIMENSION "9.25" at 1670.51,-705.04 h20 r270; MECH_DIMENSION "9.25" at 1640.35,-1069.22 h20 r270; MECH_DIMENSION "0.50" at 1683.66,-1153.67 h20 r270; MECH_DIMENSION "0.20" at 1667.59,-1383.59 h20 r270; MECH_DIMENSION "Dia. 0.95" at 2208.26,-226.46 h20 r228.73; MECH_DIMENSION "Dia. 1.45" at 2046.33,-1430.67 h20 r309.12; MECH_DIMENSION "6.55" at 1897.2,-1448.39 h20 r180; MECH_DIMENSION "0.16" at 2076.1,-455.24 h20 r270; MECH_DIMENSION "4.90" at 1867.83,-456.15 h20 r180; MECH_DIMENSION "2.67" at 2018.58,-353.74 h20 r180; MECH_DIMENSION "5.40" at 1855.59,-354.22 h20 r180; MECH_DIMENSION "0.70" at 2149.05,-418.47 h20 r180; MECH_DIMENSION "0.76" at 1668.34,-401.5 h20 r180; MECH_DIMENSION "21.85" at 1543.38,-880.04 h20 r270; MECH_DIMENSION "22.00" at 1495.43,-880.04 h20 r270; MECH_DIMENSION "20.70" at 1596.81,-880.04 h20 r270
J20: REVISION "4" at 3515.82,-339.26 h40; PIN_NUMBER "1" at 3528.62,-339.26 h8; PIN_NUMBER "3" at 3430.19,-339.26 h8; PIN_NUMBER "2" at 3479.41,-339.26 h8; PIN_NUMBER "4" at 3380.98,-339.26 h8
J21: REVISION "1" at 1390,-293.91 h40 r180; PIN_NUMBER "7" at 1345.92,-402.18 h25.2 r180; PIN_NUMBER "9" at 1145.92,-402.18 h25.2 r180; PIN_NUMBER "11" at 935.84,-402.18 h25.2 r180; PIN_NUMBER "5" at 1545.92,-402.18 h25.2 r180; PIN_NUMBER "10" at 1035.84,-402.18 h25.2 r180; PIN_NUMBER "6" at 1445.92,-402.18 h25.2 r180; PIN_NUMBER "8" at 1245.92,-402.18 h25.2 r180; PIN_NUMBER "12" at 835.84,-402.18 h25.2 r180; PIN_NUMBER "2" at 1845.92,-402.18 h25.2 r180; PIN_NUMBER "1" at 1945.92,-402.18 h25.2 r180; PIN_NUMBER "4" at 1645.92,-402.18 h25.2 r180; PIN_NUMBER "3" at 1745.92,-402.18 h25.2 r180; NVIDIA_INFO "dia1.60" at 2200.53,-369.54 h15 r180; NVIDIA_INFO "dia1.10" at 2171.91,-455.37 h15 r180; NVIDIA_INFO "2.54" at 1932.57,-451.51 h15 r180; NVIDIA_INFO "27.94" at 1441.43,-523.12 h15 r180; MECH_DIMENSION "30.58" at 1439.94,-574.85 h15 r180; MECH_DIMENSION "2.75" at 2187.06,-285.05 h15 r180; MECH_DIMENSION "0.64" at 738.64,-432.14 h15 r180; MECH_DIMENSION "SQ" at 682.54,-432.14 h15 r180; MECH_DIMENSION "30.48" at 1439.94,-496.71 h15 r180; MECH_DIMENSION "4.32" at 2270.09,-320.88 h15 r180; MECH_DIMENSION "6.00" at 2098.2,-117.73 h15 r180; MECH_DIMENSION "2.50" at 2100.41,-285.05 h15 r180; MECH_DIMENSION "27.94" at 1441.43,154.71 h15 r180; MECH_DIMENSION "2.54" at 1932.57,67.63 h15 r180
J44: PIN_NUMBER "2" at 230,-2927.81 h20 r180; PIN_NUMBER "7" at 43.98,-2762.46 h20 r180; PIN_NUMBER "6" at 416.02,-2762.46 h20 r180; PIN_NUMBER "5" at 43.98,-2943.56 h20 r180; PIN_NUMBER "4" at 416.02,-2943.56 h20 r180; PIN_NUMBER "3" at 230,-3061.67 h20 r180; PIN_NUMBER "1" at 230,-2677.81 h20 r180
J88: PIN_NUMBER "5" at 1025.79,-2600.64 h25; PIN_NUMBER "24" at 1202.8,-2703 h25; PIN_NUMBER "23" at 1202.8,-2969.93 h25; PIN_NUMBER "22" at 553.2,-2969.93 h25; PIN_NUMBER "21" at 553.2,-2703 h25; PIN_NUMBER "2" at 1084.85,-2600.64 h25; PIN_NUMBER "11" at 897.68,-2600.64 h25; PIN_NUMBER "8" at 966.74,-2600.64 h25; PIN_NUMBER "19" at 740.2,-2600.64 h25; PIN_NUMBER "16" at 799.26,-2600.64 h25; PIN_NUMBER "15" at 818.94,-2600.64 h25; PIN_NUMBER "1" at 1104.53,-2600.64 h25; PIN_NUMBER "9" at 947.05,-2600.64 h25; PIN_NUMBER "7" at 986.42,-2600.64 h25; PIN_NUMBER "12" at 878,-2600.64 h25; PIN_NUMBER "6" at 1006.11,-2600.64 h25; PIN_NUMBER "17" at 779.57,-2600.64 h25; PIN_NUMBER "3" at 1065.16,-2600.64 h25; PIN_NUMBER "4" at 1045.48,-2600.64 h25; PIN_NUMBER "10" at 917.37,-2600.64 h25; PIN_NUMBER "13" at 858.31,-2600.64 h25; PIN_NUMBER "18" at 759.89,-2600.64 h25; PIN_NUMBER "20" at 720.52,-2600.64 h25; PIN_NUMBER "14" at 838.63,-2600.64 h25; Top Overlay "DP_CONNECTOR" at 1258.23,-3178.87 h8
J92: PIN_NUMBER "22" at 1918.66,-2794.35 h20; PIN_NUMBER "21" at 1401.34,-2794.35 h20; PIN_NUMBER "20" at 1918.66,-2570.72 h20; PIN_NUMBER "19" at 1401.34,-2570.72 h20; PIN_NUMBER "16" at 1660,-2530.57 h20; PIN_NUMBER "13" at 1797.8,-2589.61 h20; PIN_NUMBER "7" at 1668,-2656.55 h20; PIN_NUMBER "4" at 1805.8,-2715.61 h20; PIN_NUMBER "10" at 1522.2,-2589.61 h20; PIN_NUMBER "1" at 1530.2,-2715.61 h20; PIN_NUMBER "9" at 1510.52,-2656.55 h20; PIN_NUMBER "8" at 1589.26,-2656.55 h20; PIN_NUMBER "2" at 1628.63,-2715.61 h20; PIN_NUMBER "11" at 1620.63,-2589.61 h20; PIN_NUMBER "12" at 1699.37,-2589.61 h20; PIN_NUMBER "3" at 1707.37,-2715.61 h20; PIN_NUMBER "6" at 1746.74,-2656.55 h20; PIN_NUMBER "5" at 1825.48,-2656.55 h20; PIN_NUMBER "15" at 1738.74,-2530.57 h20; PIN_NUMBER "17" at 1581.26,-2530.57 h20; PIN_NUMBER "18" at 1502.52,-2530.57 h20; PIN_NUMBER "14" at 1817.48,-2530.57 h20
J93: PIN_NUMBER "13" at 2467.8,-2589.61 h20; PIN_NUMBER "16" at 2330,-2530.57 h20; PIN_NUMBER "20" at 2588.66,-2570.72 h20; PIN_NUMBER "4" at 2475.8,-2715.61 h20; PIN_NUMBER "7" at 2338,-2656.55 h20; PIN_NUMBER "19" at 2071.34,-2570.72 h20; PIN_NUMBER "22" at 2588.66,-2794.35 h20; PIN_NUMBER "21" at 2071.34,-2794.35 h20; PIN_NUMBER "15" at 2408.74,-2530.57 h20; PIN_NUMBER "17" at 2251.26,-2530.57 h20; PIN_NUMBER "18" at 2172.52,-2530.57 h20; PIN_NUMBER "14" at 2487.48,-2530.57 h20; PIN_NUMBER "2" at 2298.63,-2715.61 h20; PIN_NUMBER "6" at 2416.74,-2656.55 h20; PIN_NUMBER "5" at 2495.48,-2656.55 h20; PIN_NUMBER "9" at 2180.52,-2656.55 h20; PIN_NUMBER "8" at 2259.26,-2656.55 h20; PIN_NUMBER "11" at 2290.63,-2589.61 h20; PIN_NUMBER "12" at 2369.37,-2589.61 h20; PIN_NUMBER "3" at 2377.37,-2715.61 h20; PIN_NUMBER "10" at 2192.2,-2589.61 h20; PIN_NUMBER "1" at 2200.2,-2715.61 h20
L1: PIN_NUMBER "2" at 3536.71,-588 h25; PIN_NUMBER "1" at 3375.29,-588 h25; ASSEMBLY_TOP "5X5X4.0MM" at 3373.01,-713.98 h15
L2: PIN_NUMBER "1" at 1216.71,-172 h25 r180; PIN_NUMBER "2" at 1055.29,-172 h25 r180; ASSEMBLY_TOP "5X5X4.0MM" at 1178.99,-46.02 h15 r180
L3: PIN_NUMBER "1" at 3000,-474.44 h35 r270; PIN_NUMBER "2" at 3000,-529.56 h35 r270
L4: PIN_NUMBER "3" at 3597.2,-2589.24 h35 r90; PIN_NUMBER "4" at 3622.8,-2589.24 h35 r90; PIN_NUMBER "1" at 3622.8,-2636.48 h35 r90; PIN_NUMBER "2" at 3597.2,-2636.48 h35 r90
L5: PIN_NUMBER "3" at 1669.2,-2280.38 h35 r90; PIN_NUMBER "4" at 1694.8,-2280.38 h35 r90; PIN_NUMBER "2" at 1669.2,-2327.62 h35 r90; PIN_NUMBER "1" at 1694.8,-2327.62 h35 r90
L6: PIN_NUMBER "4" at 1614.8,-2280.38 h35 r90; PIN_NUMBER "3" at 1589.2,-2280.38 h35 r90; PIN_NUMBER "2" at 1589.2,-2327.62 h35 r90; PIN_NUMBER "1" at 1614.8,-2327.62 h35 r90
L7: PIN_NUMBER "4" at 2416.8,-2280.38 h35 r90; PIN_NUMBER "3" at 2391.2,-2280.38 h35 r90; PIN_NUMBER "2" at 2391.2,-2327.62 h35 r90; PIN_NUMBER "1" at 2416.8,-2327.62 h35 r90
L8: PIN_NUMBER "4" at 2336.8,-2280.38 h35 r90; PIN_NUMBER "3" at 2311.2,-2280.38 h35 r90; PIN_NUMBER "2" at 2311.2,-2327.62 h35 r90; PIN_NUMBER "1" at 2336.8,-2327.62 h35 r90
L9: PIN_NUMBER "2" at 3541.71,-1244 h25; PIN_NUMBER "1" at 3380.29,-1244 h25; ASSEMBLY_TOP "5X5X4.0MM" at 3378.01,-1369.98 h15
L10: PIN_NUMBER "4" at 1091.42,-2413.17 h11.81; PIN_NUMBER "3" at 1109.14,-2413.17 h11.81; PIN_NUMBER "2" at 1109.14,-2434.83 h11.81; PIN_NUMBER "1" at 1091.42,-2434.83 h11.81; Top Overlay "DP_BCMF062P120T" at 1157.76,-2302.31 h32; ASSEMBLY_TOP "DP_BCMF062P120T" at 890.04,-2302.31 h32
L11: PIN_NUMBER "2" at 873.58,-2621.17 h11.81; PIN_NUMBER "1" at 855.86,-2621.17 h11.81; PIN_NUMBER "4" at 855.86,-2642.83 h11.81; PIN_NUMBER "3" at 873.58,-2642.83 h11.81; ASSEMBLY_TOP "HDMI_BCMF062P120T" at 645.04,-2753.69 h32; Bottom Overlay "HDMI_BCMF062P120T" at 912.76,-2753.69 h32
L12: PIN_NUMBER "1" at 1026.42,-2434.83 h11.81; PIN_NUMBER "2" at 1044.14,-2434.83 h11.81; PIN_NUMBER "4" at 1026.42,-2413.17 h11.81; PIN_NUMBER "3" at 1044.14,-2413.17 h11.81; Top Overlay "DP_BCMF062P120T" at 1092.76,-2302.31 h32; ASSEMBLY_TOP "DP_BCMF062P120T" at 825.04,-2302.31 h32
L13: PIN_NUMBER "2" at 945.58,-2621.17 h11.81; PIN_NUMBER "3" at 945.58,-2642.83 h11.81; PIN_NUMBER "4" at 927.86,-2642.83 h11.81; PIN_NUMBER "1" at 927.86,-2621.17 h11.81; ASSEMBLY_TOP "HDMI_BCMF062P120T" at 717.04,-2753.69 h32; Bottom Overlay "HDMI_BCMF062P120T" at 984.76,-2753.69 h32
L14: PIN_NUMBER "1" at 958.42,-2434.83 h11.81; PIN_NUMBER "2" at 976.14,-2434.83 h11.81; PIN_NUMBER "4" at 958.42,-2413.17 h11.81; PIN_NUMBER "3" at 976.14,-2413.17 h11.81; Top Overlay "DP_BCMF062P120T" at 1024.76,-2302.31 h32; ASSEMBLY_TOP "DP_BCMF062P120T" at 757.04,-2302.31 h32
L15: PIN_NUMBER "1" at 994.86,-2621.17 h11.81; PIN_NUMBER "2" at 1012.58,-2621.17 h11.81; PIN_NUMBER "4" at 994.86,-2642.83 h11.81; PIN_NUMBER "3" at 1012.58,-2642.83 h11.81; ASSEMBLY_TOP "HDMI_BCMF062P120T" at 784.04,-2753.69 h32; Bottom Overlay "HDMI_BCMF062P120T" at 1051.76,-2753.69 h32
L16: PIN_NUMBER "1" at 890.42,-2434.83 h11.81; PIN_NUMBER "2" at 908.14,-2434.83 h11.81; PIN_NUMBER "3" at 908.14,-2413.17 h11.81; PIN_NUMBER "4" at 890.42,-2413.17 h11.81; Top Overlay "DP_BCMF062P120T" at 956.76,-2302.31 h32; ASSEMBLY_TOP "DP_BCMF062P120T" at 689.04,-2302.31 h32
L17: PIN_NUMBER "2" at 1077.58,-2621.17 h11.81; PIN_NUMBER "1" at 1059.86,-2621.17 h11.81; PIN_NUMBER "3" at 1077.58,-2642.83 h11.81; PIN_NUMBER "4" at 1059.86,-2642.83 h11.81; ASSEMBLY_TOP "HDMI_BCMF062P120T" at 849.04,-2753.69 h32; Bottom Overlay "HDMI_BCMF062P120T" at 1116.76,-2753.69 h32
L20: PIN_NUMBER "3" at 1825.2,-2280.38 h35 r90; PIN_NUMBER "4" at 1850.8,-2280.38 h35 r90; PIN_NUMBER "2" at 1825.2,-2327.62 h35 r90; PIN_NUMBER "1" at 1850.8,-2327.62 h35 r90
L21: PIN_NUMBER "3" at 1437.2,-2280.38 h35 r90; PIN_NUMBER "4" at 1462.8,-2280.38 h35 r90; PIN_NUMBER "2" at 1437.2,-2327.62 h35 r90; PIN_NUMBER "1" at 1462.8,-2327.62 h35 r90
L22: PIN_NUMBER "4" at 1774.8,-2280.38 h35 r90; PIN_NUMBER "3" at 1749.2,-2280.38 h35 r90; PIN_NUMBER "2" at 1749.2,-2327.62 h35 r90; PIN_NUMBER "1" at 1774.8,-2327.62 h35 r90
L23: PIN_NUMBER "4" at 1534.8,-2280.38 h35 r90; PIN_NUMBER "3" at 1509.2,-2280.38 h35 r90; PIN_NUMBER "1" at 1534.8,-2327.62 h35 r90; PIN_NUMBER "2" at 1509.2,-2327.62 h35 r90
L24: PIN_NUMBER "3" at 2471.2,-2280.38 h35 r90; PIN_NUMBER "4" at 2496.8,-2280.38 h35 r90; PIN_NUMBER "2" at 2471.2,-2327.62 h35 r90; PIN_NUMBER "1" at 2496.8,-2327.62 h35 r90
L25: PIN_NUMBER "3" at 2230.2,-2284.38 h35 r90; PIN_NUMBER "4" at 2255.8,-2284.38 h35 r90; PIN_NUMBER "1" at 2255.8,-2331.62 h35 r90; PIN_NUMBER "2" at 2230.2,-2331.62 h35 r90
L26: PIN_NUMBER "4" at 2575.8,-2280.38 h35 r90; PIN_NUMBER "3" at 2550.2,-2280.38 h35 r90; PIN_NUMBER "2" at 2550.2,-2327.62 h35 r90; PIN_NUMBER "1" at 2575.8,-2327.62 h35 r90
L27: PIN_NUMBER "3" at 2157.2,-2280.38 h35 r90; PIN_NUMBER "4" at 2182.8,-2280.38 h35 r90; PIN_NUMBER "2" at 2157.2,-2327.62 h35 r90; PIN_NUMBER "1" at 2182.8,-2327.62 h35 r90
L28: PIN_NUMBER "1" at 763.16,-776 h20; PIN_NUMBER "2" at 845.84,-776 h20; ASSEMBLY_TOP "4.7UH 2A" at 812.5,-776 h20
Q1: PIN_NUMBER "2" at 2352.69,-1463.84 h12 r270; PIN_NUMBER "1" at 2352.69,-1432.15 h12 r270; PIN_NUMBER "3" at 2389.7,-1448 h12 r270
Q2: PIN_NUMBER "1" at 448.59,-435.11 h31.5; PIN_NUMBER "2" at 448.59,-460.7 h31.5; PIN_NUMBER "3" at 448.59,-486.29 h31.5; PIN_NUMBER "5" at 566.21,-435.11 h31.5; PIN_NUMBER "4" at 448.59,-511.88 h31.5; Top Overlay "FKBB3103" at 497.13,-589.1 h31.5; ASSEMBLY_TOP "FKBB3103" at 500,-473.5 h31.5; INFORMATION "15.3700" at 287.9,-637.44 h10; INFORMATION "0.39" at 196.96,-637.44 h10; INFORMATION "141.7800" at 119.4,-488.49 h10; INFORMATION "3.6" at 41.44,-488.49 h10; INFORMATION "149.7600" at 183.9,-389.35 h10; INFORMATION "3.8" at 105.94,-389.35 h10; INFORMATION "120.0800" at 754.43,-472.81 h10; INFORMATION "3.05" at 663.49,-472.81 h10; INFORMATION "120.0800" at 734.47,-359.4 h10; INFORMATION "3.05" at 643.53,-359.4 h10; INFORMATION "25.5900" at 381.17,-574.15 h10; INFORMATION "0.65" at 290.23,-574.15 h10; INFORMATION "Datasheet:SI7326DN" at 444.3,-781.17 h10; INFORMATION "Manu:Vashay" at 444.3,-741.17 h10; INFORMATION "Dime:3.05*3.05*1.04 mm" at 439.3,-691.17 h10
Q3: PIN_NUMBER "2" at 671.37,-837.59 h30 r270; PIN_NUMBER "3" at 592.63,-812 h30 r270; PIN_NUMBER "1" at 671.37,-786.41 h30 r270
Q4: PIN_NUMBER "2" at 774.41,-2072.63 h30 r180; PIN_NUMBER "3" at 800,-2151.37 h30 r180; PIN_NUMBER "1" at 825.59,-2072.63 h30 r180
Q5: PIN_NUMBER "2" at 2300.63,-733.59 h30 r270; PIN_NUMBER "1" at 2300.63,-682.41 h30 r270; PIN_NUMBER "3" at 2379.37,-708 h30 r270
Q6: PIN_NUMBER "2" at 1082.41,-2987.37 h30 r180; PIN_NUMBER "1" at 1133.59,-2987.37 h30 r180; PIN_NUMBER "3" at 1108,-2908.63 h30 r180
Q7: PIN_NUMBER "2" at 1577.59,-823.37 h30; PIN_NUMBER "1" at 1526.41,-823.37 h30; PIN_NUMBER "3" at 1552,-744.63 h30
Q8: PIN_NUMBER "2" at 1892.6,-827.31 h12 r270; PIN_NUMBER "3" at 1855.2,-740.69 h12 r270; PIN_NUMBER "1" at 1817.8,-827.31 h12 r270
Q9: PIN_NUMBER "2" at 789.59,-2628.63 h30; PIN_NUMBER "3" at 764,-2707.37 h30; PIN_NUMBER "1" at 738.41,-2628.63 h30
Q10: PIN_NUMBER "5" at 2680.29,-1362.81 h31.5 r270; PIN_NUMBER "1" at 2680.29,-1245.19 h31.5 r270; PIN_NUMBER "2" at 2654.7,-1245.19 h31.5 r270; PIN_NUMBER "3" at 2629.11,-1245.19 h31.5 r270; PIN_NUMBER "4" at 2603.52,-1245.19 h31.5 r270; Top Overlay "FKBB3103" at 2538.9,-1281.13 h31.5 r270; ASSEMBLY_TOP "FKBB3103" at 2654.5,-1284 h31.5 r270; INFORMATION "15.3700" at 2490.56,-1071.9 h10 r270; INFORMATION "0.39" at 2490.56,-980.96 h10 r270; INFORMATION "141.7800" at 2639.51,-903.4 h10 r270; INFORMATION "3.6" at 2639.51,-825.44 h10 r270; INFORMATION "149.7600" at 2738.65,-967.9 h10 r270; INFORMATION "3.8" at 2738.65,-889.94 h10 r270; INFORMATION "120.0800" at 2655.19,-1538.43 h10 r270; INFORMATION "3.05" at 2655.19,-1447.49 h10 r270; INFORMATION "120.0800" at 2768.6,-1518.47 h10 r270; INFORMATION "3.05" at 2768.6,-1427.53 h10 r270; INFORMATION "25.5900" at 2553.85,-1165.17 h10 r270; INFORMATION "0.65" at 2553.85,-1074.23 h10 r270; INFORMATION "Datasheet:SI7326DN" at 2346.83,-1228.3 h10 r270; INFORMATION "Manu:Vashay" at 2386.83,-1228.3 h10 r270; INFORMATION "Dime:3.05*3.05*1.04 mm" at 2436.83,-1223.3 h10 r270
Q11: PIN_NUMBER "2" at 1756.6,-827.31 h12 r270; PIN_NUMBER "3" at 1719.2,-740.69 h12 r270; PIN_NUMBER "1" at 1681.8,-827.31 h12 r270
Q12: PIN_NUMBER "2" at 2287.37,-1061.59 h30 r270; PIN_NUMBER "1" at 2287.37,-1010.41 h30 r270; PIN_NUMBER "3" at 2208.63,-1036 h30 r270
Q13: PIN_NUMBER "2" at 2287.37,-1161.59 h30 r270; PIN_NUMBER "1" at 2287.37,-1110.41 h30 r270; PIN_NUMBER "3" at 2208.63,-1136 h30 r270
Q14: PIN_NUMBER "1" at 2750.41,-1535.37 h30; PIN_NUMBER "2" at 2801.59,-1535.37 h30; PIN_NUMBER "3" at 2776,-1456.63 h30
Q15: PIN_NUMBER "5" at 2602.51,-1021.19 h31.5 r90; PIN_NUMBER "1" at 2602.51,-1138.81 h31.5 r90; PIN_NUMBER "2" at 2628.1,-1138.81 h31.5 r90; PIN_NUMBER "3" at 2653.69,-1138.81 h31.5 r90; PIN_NUMBER "4" at 2679.28,-1138.81 h31.5 r90; Top Overlay "FKBB3103" at 2769.1,-1102.87 h31.5 r90; ASSEMBLY_TOP "FKBB3103" at 2653.5,-1100 h31.5 r90; INFORMATION "15.3700" at 2817.44,-1312.1 h10 r90; INFORMATION "0.39" at 2817.44,-1403.04 h10 r90; INFORMATION "141.7800" at 2668.49,-1480.6 h10 r90; INFORMATION "3.6" at 2668.49,-1558.56 h10 r90; INFORMATION "149.7600" at 2569.35,-1416.1 h10 r90; INFORMATION "3.8" at 2569.35,-1494.06 h10 r90; INFORMATION "120.0800" at 2652.81,-845.57 h10 r90; INFORMATION "3.05" at 2652.81,-936.51 h10 r90; INFORMATION "120.0800" at 2539.4,-865.53 h10 r90; INFORMATION "3.05" at 2539.4,-956.47 h10 r90; INFORMATION "25.5900" at 2754.15,-1218.83 h10 r90; INFORMATION "0.65" at 2754.15,-1309.77 h10 r90; INFORMATION "Datasheet:SI7326DN" at 2961.17,-1155.7 h10 r90; INFORMATION "Manu:Vashay" at 2921.17,-1155.7 h10 r90; INFORMATION "Dime:3.05*3.05*1.04 mm" at 2871.17,-1160.7 h10 r90
Q16: PIN_NUMBER "2" at 2295.89,-617.4 h12 r180; PIN_NUMBER "3" at 2382.51,-580 h12 r180; PIN_NUMBER "1" at 2295.89,-542.6 h12 r180
Q17: PIN_NUMBER "2" at 2022.41,-492.63 h30 r180; PIN_NUMBER "1" at 2073.59,-492.63 h30 r180; PIN_NUMBER "3" at 2048,-571.37 h30 r180